# KiCad board jetson-nano-baseboard.kicad_pcb (continued)
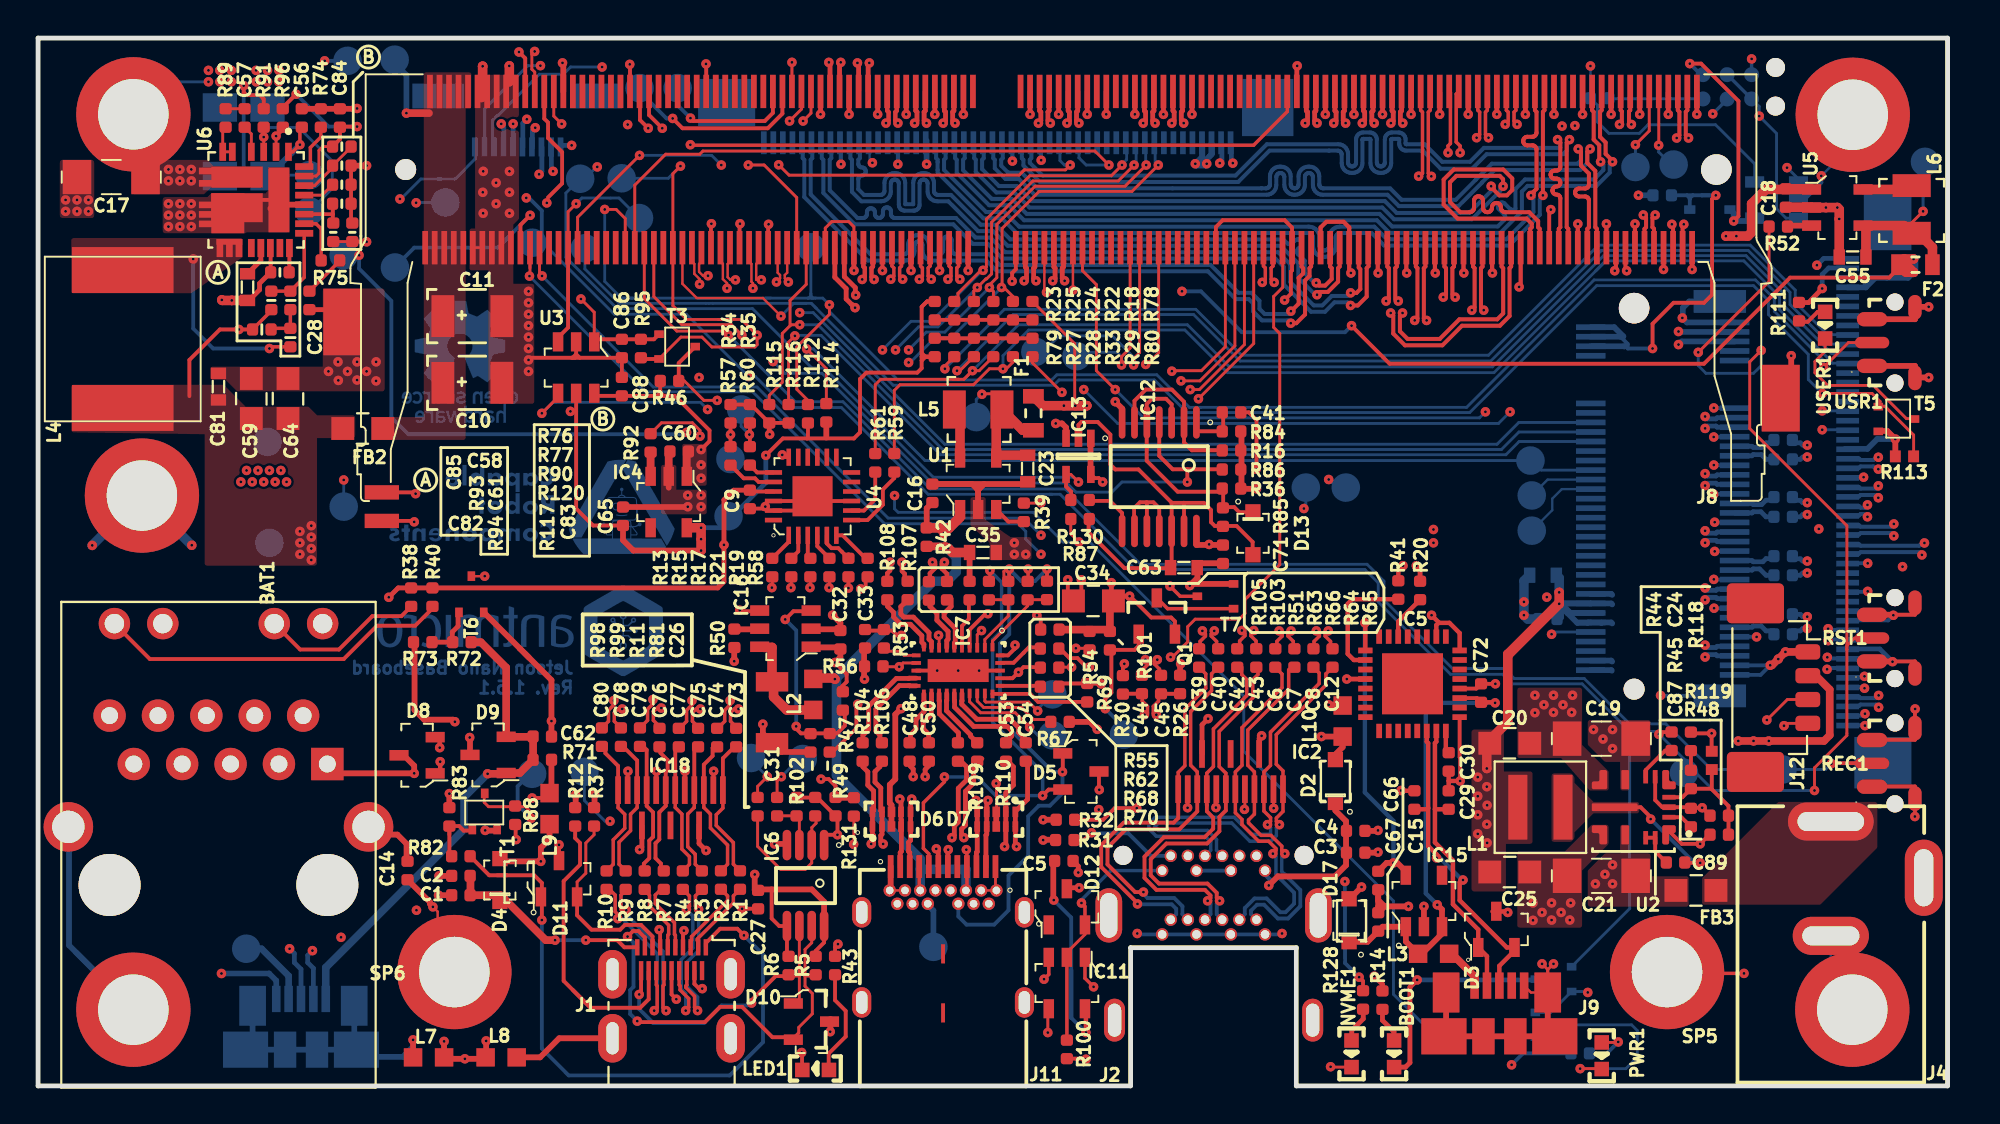
[diagram p0: board, top side]
## Footprints (pads in the part's own frame, mm; a bottom-side part is the same pattern mirrored in y, then rotated) (continued)
  rect 2x3.5 smd: 261(-69.525,34) 262(5.975,30)
  round 1.6 hole 1.6: M(2.6,42)
KEMET_B
  rect 1.2x2.2 smd: 1(0.005,0) 2(3.1,0)
LED0603
  rect 0.762x0.762 smd: A(0.699,0) K(-0.699,0)
LQH32PN2R2NN0L
  rect 1.2x2 smd: 1(-1.25,0) 2(1.25,0)
M2.5-6mm
  round 6 hole 3.7: 1(0,0)
MDT580M01001
  rect 1.55x0.3 smd: 1(3.775,9.25) 2(-3.775,9) 3(3.775,8.75) 4(-3.775,8.5) 5(3.775,8.25) 6(-3.775,8) 7(3.775,7.75) 8(-3.775,7.5) 9(3.775,7.25) 10(-3.775,7) 11(3.775,6.75) 12(-3.775,6.5) 13(3.775,6.25) 14(-3.775,6) 15(3.775,5.75) 16(-3.775,5.5) 17(3.775,5.25) 18(-3.775,5) 19(3.775,4.75) 20(-3.775,4.5) 21(3.775,4.25) 22(-3.775,4) 23(3.775,3.75) 24(-3.775,3.5) 25(3.775,3.25) 26(-3.775,3) 27(3.775,2.75) 28(-3.775,2.5) 29(3.775,2.25) 30(-3.775,2) 31(3.775,1.75) 32(-3.775,1.5) 33(3.775,1.25) 34(-3.775,1) 35(3.775,0.75) 36(-3.775,0.5) 37(3.775,0.25) 38(-3.775,0) 39(3.775,-0.25) 40(-3.775,-0.5) 41(3.775,-0.75) 42(-3.775,-1) 43(3.775,-1.25) 44(-3.775,-1.5) 45(3.775,-1.75) 46(-3.775,-2) 47(3.775,-2.25) 48(-3.775,-2.5) 49(3.775,-2.75) 50(-3.775,-3) 51(3.775,-3.25) 52(-3.775,-3.5) 53(3.775,-3.75) 54(-3.775,-4) 55(3.775,-4.25) 56(-3.775,-4.5) 57(3.775,-4.75) 58(-3.775,-5) 67(3.775,-7.25) 68(-3.775,-7.5) 69(3.775,-7.75) 70(-3.775,-8) 71(3.775,-8.25) 72(-3.775,-8.5) 73(3.775,-8.75) 74(-3.775,-9) 75(3.775,-9.25)
  round 1.6 hole 1.6: None(-1.5,-10)
  round 1.1 hole 1.1: None(-1.5,10)
  rect 2.75x1.2 smd: SH1(3,10.35) SH2(3,-10.35)
Molex_PicoBlade_53398-0471_1x04-1MP_P1.25mm_Vertical
  rrect 0.8x1.3 smd: 1(-1.875,1.25) 2(-0.625,1.25) 3(0.625,1.25) 4(1.875,1.25)
  rrect 2.1x3 smd: MP(-4.425,-1.5) MP(4.425,-1.5)
MS621FE-FL11E
  rect 0.75x1.8 smd: +(0.75,0) -(-0.75,0)
MSOP-8
  oval 1.6x0.45 smd: 1(-2.125,0.975) 2(-2.125,0.325) 3(-2.125,-0.325) 4(-2.125,-0.975) 5(2.125,-0.975) 6(2.125,-0.325) 7(2.125,0.325) 8(2.125,0.975)
QFN-32
  rect 0.75x0.3 smd: 1(-2.475,1.75) 2(-2.475,1.25) 3(-2.475,0.75) 4(-2.475,0.25) 5(-2.475,-0.25) 6(-2.475,-0.75) 7(-2.475,-1.25) 8(-2.475,-1.75) 17(2.475,-1.75) 18(2.475,-1.25) 19(2.475,-0.75) 20(2.475,-0.25) 21(2.475,0.25) 22(2.475,0.75) 23(2.475,1.25) 24(2.475,1.75)
  rect 0.3x0.75 smd: 9(-1.75,-2.475) 10(-1.25,-2.475) 11(-0.75,-2.475) 12(-0.25,-2.475) 13(0.25,-2.475) 14(0.75,-2.475) 15(1.25,-2.475) 16(1.75,-2.475) 25(1.75,2.475) 26(1.25,2.475) 27(0.75,2.475) 28(0.25,2.475) 29(-0.25,2.475) 30(-0.75,2.475) 31(-1.25,2.475) 32(-1.75,2.475)
  rect 3.2x3.2 smd: 33(0,0)
R-PDSO-G5
  rect 0.9x0.4 smd: 1(-0.95,0.65) 2(-0.95,0) 3(-0.95,-0.65) 4(0.95,-0.65) 5(0.95,0.65)
RNH0030A
  rect 0.45x0.2 smd: 1(-1.23,1.8) 10(-1.23,-1.8) 16(1.225,-1.8) 25(1.225,1.8)
  rect 0.5x0.2 smd: 2(-1.2,1.4) 3(-1.2,1) 4(-1.2,0.6) 5(-1.2,0.2) 6(-1.2,-0.2) 7(-1.2,-0.6) 8(-1.2,-1) 9(-1.2,-1.4) 17(1.2,-1.4) 18(1.2,-1) 19(1.2,-0.6) 20(1.2,-0.2) 21(1.2,0.2) 22(1.2,0.6) 23(1.2,1) 24(1.2,1.4)
  rect 0.2x0.45 smd: 11(-0.8,-2.2) 15(0.8,-2.2) 26(0.8,2.2) 30(-0.8,2.2)
  rect 0.2x0.5 smd: 12(-0.4,-2.2) 13(0,-2.2) 14(0.4,-2.2) 27(0.4,2.2) 28(0,2.2) 29(-0.4,2.2)
  rect 1.2x3.2 smd: 31(0,0)
SC70-3
  rect 0.5x0.4 smd: 1(-0.95,0.65) 2(-0.95,-0.65) 3(0.95,0)
SI-51005-F
  round 3.25 hole 3.25: (-5.715,-6.86) (5.715,-6.86)
  rect 1.7x1.7 hole 0.89: 1(5.715,-0.51)
  round 1.7 hole 0.89: 2(4.445,2.03) 3(3.175,-0.51) 4(1.905,2.03) 5(0.635,-0.51) 6(-0.635,2.03) 7(-1.905,-0.51) 8(-3.175,2.03) 9(-4.445,-0.51) 10(-5.715,2.03)
  round 1.65 hole 1.02: 11(5.469,6.86) 12(2.929,6.86) 13(-2.921,6.86) 14(-5.461,6.86)
  round 2.6 hole 1.7: S(-7.878,-3.81) S(7.878,-3.81)
SIC47XED-T1-GE3
  rect 0.95x0.35 smd: 1(-2.525,1.7) 2(-2.525,1.05) 3(-2.525,0.4) 4(-2.525,-0.25) 5(-2.525,-1.25) 6(-2.525,-1.75) 12(2.525,-1.9) 13(2.525,-1.4) 14(2.525,-0.9) 15(2.525,-0.25) 16(2.525,0.25) 17(2.525,0.75) 18(2.525,1.25) 19(2.525,1.75)
  rect 0.35x0.95 smd: 7(-1.52,-2.525) 8(-0.87,-2.525) 9(0.26,-2.525) 10(0.76,-2.525) 11(1.26,-2.525) 20(1.75,2.525) 21(1.25,2.525) 22(0.75,2.525) 23(0.25,2.525) 24(-0.25,2.525) 25(-0.75,2.525) 26(-1.25,2.525) 27(-1.75,2.525)
  rect 1.1x2.7 smd: 7(-1.2,-1)
  rect 1.52x2.7 smd: 9(0.41,-1)
  rect 2.1x1.73 smd: 9(0.7,-1.485)
  rect 0.3x1.35 smd: 14(2.2,-1.4)
  rect 3.4x1.1 smd: 28(0,1.2)
SOD-323
  rect 0.8x0.8 smd: A(1.125,0) C(-1.125,0)
SOD-323#2
  rect 0.59x0.45 smd: A(1.055,0) C(-1.055,0)
SON-15
  rect 0.3x1.45 smd: 1(-2.75,-0.925) 2(-2.25,-0.925) 3(-1.75,-0.925) 4(-1.25,-0.925) 5(-0.75,-0.925) 6(-0.25,-0.925) 7(0.25,-0.925) 8(0.75,-0.925) 9(1.25,-0.925) 10(1.75,-0.925) 11(2.25,-0.925) 12(2.75,-0.925) 13(1.5,0.925) 14(0,0.925) 15(-1.5,0.925)
SOT23-5
  rect 1x0.6 smd: 1(-1.15,0.95) 2(-1.15,0) 3(-1.15,-0.95) 4(1.15,-0.95) 5(1.15,0.95)
SOT-23-5
  rect 0.55x1 smd: 1(-0.95,-1.35) 2(0,-1.35) 3(0.95,-1.35) 4(0.95,1.35) 5(-0.95,1.35)
SOT-23-6
  rect 0.55x1 smd: 1(-0.95,-1.35) 2(0,-1.35) 3(0.95,-1.35) 4(0.95,1.35) 5(0,1.35) 6(-0.95,1.35)
SOT-23s
  rect 1x0.55 smd: 1(-0.95,0.95) 2(-0.95,-0.95) 3(0.95,0)
TC2030
  round 0.787 smd: 1(-1.265,-0.638) 2(-1.265,0.638) 3(0,-0.638) 4(0,0.638) 5(1.285,-0.638) 6(1.285,0.638)
  round 0.991 hole 0.991: M(2.54,-1.014) M(2.54,1.014)
TL3340AF160QG
  oval 1.6x0.75 smd: 1(-1.2,-1.225) 3(-1.2,1.225)
  oval 1.8x0.6 smd: 2(-1.2,0)
  round 0.9 hole 0.9: 10(0,-2.125) 11(0,2.125)
  oval 0.7x1.3 smd: SH1(1.05,1.85) SH2(1.05,-1.85)
TP-R-1.5
  round 1.5 smd: 1(0,0)
TPD4E05U06_PASS
  rect 0.3x0.55 smd: 1(-1,0.385) 1(-1,-0.385) 2(-0.5,0.385) 2(-0.5,-0.385) 4(0.5,0.385) 4(0.5,-0.385) 5(1,0.385) 5(1,-0.385)
  rect 0.4x0.55 smd: 3(0,-0.385) 8(0,0.385)
TSSOP-14
  oval 1.7x0.35 smd: 1(-2.85,1.95) 2(-2.85,1.3) 3(-2.85,0.65) 4(-2.85,0) 5(-2.85,-0.65) 6(-2.85,-1.3) 7(-2.85,-1.95) 8(2.85,-1.95) 9(2.85,-1.3) 10(2.85,-0.65) 11(2.85,0) 12(2.85,0.65) 13(2.85,1.3) 14(2.85,1.95)
VQFN-14-HR
  custom 0.71x1.01 smd: 1(-1.8,1.2) 5(-1.8,-1.2)
  rrect 0.7x0.25 smd: 2(-1.85,0.525) 4(-1.85,-0.525)
  rrect 0.7x0.3 smd: 3(-1.85,0)
  rrect 0.25x0.7 smd: 6(-1.125,-1.6) 7(-0.625,-1.6) 13(-0.625,1.6) 14(-1.125,1.6)
  rrect 0.4x1 smd: 8(0.45,-1.45) 12(0.45,1.45)
  custom 0.81x1.01 smd: 9(1.55,-1.15) 11(1.55,1.15)
  rrect 2.4x0.4 smd: 10(1,0)
WE_68715014022
  rect 0.3x1.2 smd: 1(-12.89,-0.66) 2(-12.39,-0.66) 3(-11.89,-0.66) 4(-11.39,-0.66) 5(-10.89,-0.66) 6(-10.39,-0.66) 7(-9.89,-0.66) 8(-9.39,-0.66) 9(-8.89,-0.66) 10(-8.39,-0.66) 11(-7.89,-0.66) 12(-7.39,-0.66) 13(-6.89,-0.66) 14(-6.39,-0.66) 15(-5.89,-0.66) 16(-5.39,-0.66) 17(-4.89,-0.66) 18(-4.39,-0.66) 19(-3.89,-0.66) 20(-3.39,-0.66) 21(-2.89,-0.66) 22(-2.39,-0.66) 23(-1.89,-0.66) 24(-1.39,-0.66) 25(-0.89,-0.66) 26(-0.39,-0.66) 27(0.11,-0.66) 28(0.61,-0.66) 29(1.11,-0.66) 30(1.61,-0.66) 31(2.11,-0.66) 32(2.61,-0.66) 33(3.11,-0.66) 34(3.61,-0.66) 35(4.11,-0.66) 36(4.61,-0.66) 37(5.11,-0.66) 38(5.61,-0.66) 39(6.11,-0.66) 40(6.61,-0.66) 41(7.11,-0.66) 42(7.61,-0.66) 43(8.11,-0.66) 44(8.61,-0.66) 45(9.11,-0.66) 46(9.61,-0.66) 47(10.11,-0.66) 48(10.61,-0.66) 49(11.11,-0.66) 50(11.61,-0.66)
  rect 2.7x3 smd: ~(-14.84,1.19)
  rect 3x2.5 smd: ~(13.56,1.44)
WE_68715014522_ONE-SIDE
  rect 0.3x1.2 smd: 1(-12.25,-0.6) 2(-11.75,-0.6) 3(-11.25,-0.6) 4(-10.75,-0.6) 5(-10.25,-0.6) 6(-9.75,-0.6) 7(-9.25,-0.6) 8(-8.75,-0.6) 9(-8.25,-0.6) 10(-7.75,-0.6) 11(-7.25,-0.6) 12(-6.75,-0.6) 13(-6.25,-0.6) 14(-5.75,-0.6) 15(-5.25,-0.6) 16(-4.75,-0.6) 17(-4.25,-0.6) 18(-3.75,-0.6) 19(-3.25,-0.6) 20(-2.75,-0.6) 21(-2.25,-0.6) 22(-1.75,-0.6) 23(-1.25,-0.6) 24(-0.75,-0.6) 25(-0.25,-0.6) 26(0.25,-0.6) 27(0.75,-0.6) 28(1.25,-0.6) 29(1.75,-0.6) 30(2.25,-0.6) 31(2.75,-0.6) 32(3.25,-0.6) 33(3.75,-0.6) 34(4.25,-0.6) 35(4.75,-0.6) 36(5.25,-0.6) 37(5.75,-0.6) 38(6.25,-0.6) 39(6.75,-0.6) 40(7.25,-0.6) 41(7.75,-0.6) 42(8.25,-0.6) 43(8.75,-0.6) 44(9.25,-0.6) 45(9.75,-0.6) 46(10.25,-0.6) 47(10.75,-0.6) 48(11.25,-0.6) 49(11.75,-0.6) 50(12.25,-0.6)
  rect 3x2.5 smd: ~(-14.2,-2.7)
  rect 2.7x3 smd: ~(14.2,-2.45)
WE_632723300011
  rect 0.2x1 smd: (0,1.055) (0,-2.045)
  rect 0.3x1.2 smd: A1(-2.75,5.635) A2(-2.25,5.635) A3(-1.75,5.635) A4(-1.25,5.635) A5(-0.75,5.635) A6(-0.25,5.635) A7(0.25,5.635) A8(0.75,5.635) A9(1.25,5.635) A10(1.75,5.635) A11(2.25,5.635) A12(2.75,5.635)
  round 0.65 hole 0.4: B1(2.8,4.385) B2(2.4,3.685) B3(1.6,3.685) B4(1.2,4.385) B5(0.8,3.685) B6(0.4,4.385) B7(-0.4,4.385) B8(-0.8,3.685) B9(-1.2,4.385) B10(-1.6,3.685) B11(-2.4,3.685) B12(-2.8,4.385) Shell(-2,4.385) Shell(2,4.385)
  oval 1x1.6 hole 0.6x1.2: Shell(-4.27,3.235) Shell(-4.27,-1.495) Shell(4.27,3.235) Shell(4.27,-1.495)
XFL4015-122MEC
  rect 1x3.4 smd: 1(-1.185,0) 2(1.185,0)

## Nets
1V8_DBG: C66.2 IC5.1 IC15.5
1V8_SYS: C5.1 C65.1 C86.2 IC4.5 IC11.5 R23.2 R79.2 R88.1 R95.1 R112.1 R114.2 T3.1 TP47.1 U3.1 U3.5
3V3_FFC1: F1.2 J6.47 J6.48 R78.2
3V3_FFC2: F2.1 J7.47 J7.48 R80.2
3V3_SYS: C9.1 C20.1 C24.1 C25.1 C26.1 C33.1 C36.2 C46.2 C47.2 D15.A IC6.1 IC7.8 J8.2 J8.4 J8.12 J8.14 J8.16 J8.18 J8.70 J8.72 J8.74 J10.1 L1.1 L10.1 R11.1 R34.1 R35.1 R38.2 R40.1 R48.1 R53.2 R69.1 R70.1 R81.1 R115.2 R116.2 R118.1 R128.2 U2.1 U4.21
5V0_DBG: C67.2 C72.2 D17.C IC5.19 IC15.1 IC15.3 L3.2
5V0_SYS: C16.1 C18.1 C32.1 C34.2 C59.1 C60.1 C64.1 C71.2 C81.1 C82.1 C83.2 C88.2 D17.A FB2.1 IC2.13 IC2.15 IC4.1 IC7.30 IC12.14 IC13.1 IC13.5 IC16.1 J6.49 J6.50 J7.49 J7.50 J12.2 L4.2 L9.1 Q1.2 R14.2 R16.1 R36.1 R42.1 R43.2 R46.2 R47.2 R54.1 R55.1 R67.2 R71.1 R84.2 R86.2 R93.1 R97.2 R101.2 R111.2 R117.1 TP41.1 TP42.1 U1.1 U3.6 U5.1
/Supply/3V3_EN: R44.1 U2.7
/Supply/3V3_FB: R45.2 R48.2 R118.2 R119.1 U2.4
/Supply/3V3_R_C_BOOT: C89.2 U2.13 U2.14
/Supply/3V3_SW: C89.1 L1.2 U2.10
/Supply/3V3_VCC: C87.1 U2.2
/Supply/3V3_VIN: C19.1 C21.1 FB3.2 U2.8 U2.12
/Supply/5V_BOOT: C57.1 U6.4
/Supply/5V_COMP: R75.1 U6.21
/Supply/5V_EN: R91.1 TP15.1 U6.3
/Supply/5V_FB: R117.2 R120.1 U6.22
/Supply/5V_FSW: R90.1 U6.24
/Supply/5V_ILIM: R76.1 R77.1 U6.25
/Supply/5V_MODE: R74.1 U6.27
/Supply/5V_PHASE: R89.2 U6.5 U6.6
/Supply/5V_SNS: C61.1 C82.2 R94.2
/Supply/5V_SS: C58.1 U6.19
/Supply/5V_SW: L4.1 R94.1 U6.12 U6.13 U6.14
/Supply/5V_VIN: C17.1 C22.1 C56.1 FB1.2 R91.2 TP11.1 U6.1 U6.7 U6.8
/Supply/VDD_5V_DCDC: C84.1 R76.2 R96.1 U6.26
GND: BAT1.- C1.1 C2.1 C3.1 C4.1 C5.2 C9.2 C10.2 C11.2 C14.2 C15.1 C16.2 C17.2 C18.2 C19.2 C20.2 C21.2 C22.2 C23.2 C25.2 C26.2 C27.1 C28.1 C29.1 C30.1 C31.1 C32.2 C33.2 C34.1 C35.1 C36.1 C41.1 C46.1 C47.1 C55.2 C56.2 C58.2 C59.2 C60.2 C62.1 C63.1 C64.2 C65.2 C66.1 C67.1 C71.1 C72.1 C81.2 C83.1 C84.2 C85.2 C86.1 C87.2 C88.1 D3.3 D5.3 D6.3 D6.8 D7.3 D7.8 D8.3 D9.3 D10.3 D11.3 D12.3 IC2.2 IC2.5 IC2.8 IC2.11 IC4.2 IC5.4 IC5.17 IC5.20 IC5.24 IC5.26 IC6.4 IC7.13 IC7.28 IC7.31 IC11.1 IC11.3 IC12.7 IC13.3 IC15.2 IC16.2 IC17.2 IC18.2 IC18.5 IC18.8 IC18.11 J2.1 J2.7 J2.8 J2.13 J2.14 J2.19 J2.21 J2.22 J2.23 J2.24 J3.1 J4.2 J4.3 J5.5 J5.S J6.9 J6.12 J6.15 J6.18 J6.27 J6.30 J7.9 J7.12 J7.15 J7.18 J7.27 J7.30 J8.1 J8.3 J8.9 J8.15 J8.21 J8.27 J8.33 J8.39 J8.45 J8.51 J8.57 J8.71 J8.73 J8.75 J8.SH1 J8.SH2 J9.5 J9.S J10.10 J11.A1 J11.A12 J11.B1 J11.B12 J11.Shell J12.1 L7.1 L7.2 L8.1 M1.1 M1.2 M1.7 M1.8 M1.13 M1.14 M1.19 M1.20 M1.25 M1.26 M1.31 M1.32 M1.37 M1.38 M1.43 M1.44 M1.49 M1.50 M1.55 M1.56 M1.61 M1.62 M1.67 M1.68 M1.73 M1.74 M1.79 M1.80 M1.85 M1.86 M1.102 M1.107 M1.113 M1.119 M1.125 M1.129 M1.132 M1.135 M1.138 M1.141 M1.144 M1.146 M1.147 M1.152 M1.153 M1.158 M1.159 M1.164 M1.165 M1.170 M1.171 M1.176 M1.177 M1.200 M1.201 M1.217 M1.231 M1.241 M1.242 M1.243 M1.244 M1.245 M1.246 M1.247 M1.248 M1.249 M1.250 M1.261 M1.262 R12.1 R30.1 R31.1 R32.1 R37.2 R50.1 R56.1 R62.1 R73.2 R74.2 R77.2 R83.2 R90.2 R100.1 R102.1 R113.2 R119.2 R120.2 R131.1 REC1.1 REC1.3 REC1.SH1 REC1.SH2 RST1.1 RST1.3 RST1.SH1 RST1.SH2 SP1.1 SP2.1 SP3.1 SP5.1 SP6.1 SP7.1 T1.2 T2.2 T4.2 T5.2 T6.2 T7.2 TP12.1 TP17.1 TP30.5 TP44.1 U1.2 U2.3 U2.6 U2.9 U2.11 U3.2 U4.9 U4.18 U4.22 U4.23 U4.25 U5.2 U6.9 U6.10 U6.11 U6.17 U6.23 U6.28 USR1.1 USR1.3 USR1.SH1 USR1.SH2
VDD_MOD: C10.1 C11.1 FB2.2 M1.251 M1.252 M1.253 M1.254 M1.255 M1.256 M1.257 M1.258 M1.259 M1.260 TP38.1
VIN: FB1.1 FB3.1 J4.1 TP16.1
#PWR_BUTTON: M1.240 TP31.1
#RECOVERY: M1.214 REC1.2 TP39.1
#RESET: M1.239 R39.2 R44.2 R52.2 R92.2 RST1.2 T2.1 TP29.1 TP37.1
#SHUTDOWN_REQ: IC12.4 M1.233 R86.1 TP28.1
/CSI/CAM0_SCL: J6.40 R15.1 R24.2
/CSI/CAM0_SDA: J6.39 R13.1 R25.2
/CSI/CAM1_SCL: J6.42 R18.2 R21.1
/CSI/CAM1_SDA: J6.41 R17.1 R22.2
/CSI/CAM2_SCL: J7.42 R27.2 R58.1
/CSI/CAM2_SDA: J7.41 R19.1 R28.2
/CSI/CAM3_SCL: J7.40 R33.2 R61.1
/CSI/CAM3_SDA: J7.39 R29.2 R59.1
/CSI/CAM_I2C_SCL: M1.213 R35.2 R60.2 TP10.1
/CSI/CAM_I2C_SDA: M1.215 R34.2 R57.2 TP1.1
/CSI/CSI_A_CLK_N: J7.28 M1.10
/CSI/CSI_A_CLK_P: J7.29 M1.12
/CSI/CSI_A_D0_N: J7.25 M1.4
/CSI/CSI_A_D0_P: J7.26 M1.6
/CSI/CSI_A_D1_N: J7.23 M1.16
/CSI/CSI_A_D1_P: J7.24 M1.18
/CSI/CSI_B_D0_N: J7.21 M1.3
/CSI/CSI_B_D0_P: J7.22 M1.5
/CSI/CSI_B_D1_N: J7.19 M1.15
/CSI/CSI_B_D1_P: J7.20 M1.17
/CSI/CSI_C_CLK_N: J7.10 M1.52
/CSI/CSI_C_CLK_P: J7.11 M1.54
/CSI/CSI_C_D0_N: J7.7 M1.46
/CSI/CSI_C_D0_P: J7.8 M1.48
/CSI/CSI_C_D1_N: J7.5 M1.58
/CSI/CSI_C_D1_P: J7.6 M1.60
/CSI/CSI_D_D0_N: J7.3 M1.40
/CSI/CSI_D_D0_P: J7.4 M1.42
/CSI/CSI_D_D1_N: J7.1 M1.64
/CSI/CSI_D_D1_P: J7.2 M1.66
/CSI/CSI_E_CLK_N: J6.28 M1.28
/CSI/CSI_E_CLK_P: J6.29 M1.30
/CSI/CSI_E_D0_N: J6.25 M1.22
/CSI/CSI_E_D0_P: J6.26 M1.24
/CSI/CSI_E_D1_N: J6.23 M1.34
/CSI/CSI_E_D1_P: J6.24 M1.36
/CSI/CSI_F_D0_N: J6.21 M1.21
/CSI/CSI_F_D0_P: J6.22 M1.23
/CSI/CSI_F_D1_N: J6.19 M1.33
/CSI/CSI_F_D1_P: J6.20 M1.35
/CSI/CSI_G_CLK_N: J6.10 M1.76
/CSI/CSI_G_CLK_P: J6.11 M1.78
/CSI/CSI_G_D0_N: J6.7 M1.70
/CSI/CSI_G_D0_P: J6.8 M1.72
/CSI/CSI_G_D1_N: J6.5 M1.82
/CSI/CSI_G_D1_P: J6.6 M1.84
/Display/DP_CEC: J2.6 R32.2
/Display/DP_HPD: IC11.4 M1.88
/Display/DP_HPD_IN: D12.2 IC11.2 J2.2 R100.2
/Display/DP_MODE: J2.4 R31.2
/Display/EDP0_TX_N: C40.1 M1.39
/Display/EDP0_TX_P: C39.1 M1.41
/Display/EDP1_TX_N: C43.1 M1.45
/Display/EDP1_TX_P: C42.1 M1.47
/Display/EDP2_TX_N: C7.1 M1.51
/Display/EDP2_TX_P: C6.1 M1.53
/Display/EDP3_TX_N: C12.1 M1.57
/Display/EDP3_TX_P: C8.1 M1.59
/Display/EDP_AUX_N: C45.1 M1.90
/Display/EDP_AUX_P: C44.1 M1.92
/Display/EDP_C_AUX_C_N: C45.2 J2.18 R26.1
/Display/EDP_C_AUX_C_P: C44.2 J2.16 R30.2
/Display/ML_C_LANE0_N: C40.2 IC2.3 J2.5
/Display/ML_C_LANE0_P: C39.2 IC2.1 J2.3
/Display/ML_C_LANE1_N: C43.2 IC2.6 J2.11
/Display/ML_C_LANE1_P: C42.2 IC2.4 J2.9
/Display/ML_C_LANE2_N: C7.2 IC2.9 J2.17
/Display/ML_C_LANE2_P: C6.2 IC2.7 J2.15
/Display/ML_C_LANE3_N: C12.2 IC2.12 J2.12
/Display/ML_C_LANE3_P: C8.2 IC2.10 J2.10
/Display/TMDS_C1_CLK_N: C80.2 IC18.12 R10.1
/Display/TMDS_C1_CLK_P: C78.2 IC18.10 R9.1
/Display/TMDS_C1_D0_N: C79.2 IC18.9 R8.1
/Display/TMDS_C1_D0_P: C76.2 IC18.7 R7.1
/Display/TMDS_C1_D1_N: C77.2 IC18.6 R4.1
/Display/TMDS_C1_D1_P: C75.2 IC18.4 R3.1
/Display/TMDS_C1_D2_N: C74.2 IC18.3 R2.1
/Display/TMDS_C1_D2_P: C73.2 IC18.1 R1.1
/Display/TMDS_CEC: M1.94 TP26.1
/Display/TMDS_CEC_IN: D11.2 J1.15 R37.1
/Display/TMDS_CLK_C_N: J1.14 R10.2
/Display/TMDS_CLK_C_P: J1.12 R9.2
/Display/TMDS_CLK_N: C80.1 M1.81
/Display/TMDS_CLK_P: C78.1 M1.83
/Display/TMDS_D0_C_N: J1.11 R8.2
/Display/TMDS_D0_C_P: J1.9 R7.2
/Display/TMDS_D0_N: C79.1 M1.75
/Display/TMDS_D0_P: C76.1 M1.77
/Display/TMDS_D1_C_N: J1.8 R4.2
/Display/TMDS_D1_C_P: J1.6 R3.2
/Display/TMDS_D1_N: C77.1 M1.69
/Display/TMDS_D1_P: C75.1 M1.71
/Display/TMDS_D2_C_N: J1.5 R2.2
/Display/TMDS_D2_C_P: J1.3 R1.2
/Display/TMDS_D2_N: C74.1 M1.63
/Display/TMDS_D2_P: C73.1 M1.65
/Display/TMDS_HPD_IN: D11.1 J1.1 R82.1
/Display/TMDS_SCL: M1.100 R98.2 TP33.1
/Display/TMDS_SCL_5V0: D10.2 IC6.7 J1.17 R5.2
/Display/TMDS_SDA: M1.98 R99.2 TP34.1
/Display/TMDS_SDA_5V0: D10.1 IC6.6 J1.18 R6.2
/ID Serial/EEPROM_PWR: D15.C IC17.4 TP30.1
/ID Serial/SN_WP: IC17.5 R132.1
/Interfaces/C_PCIE0_TX0_N: C38.1 J8.47
/Interfaces/C_PCIE0_TX0_P: C37.1 J8.49
/Interfaces/C_PCIE0_TX1_N: C51.1 J8.35
/Interfaces/C_PCIE0_TX1_P: C49.1 J8.37
/Interfaces/C_PCIE0_TX2_N: C68.1 J8.23
/Interfaces/C_PCIE0_TX2_P: C52.1 J8.25
/Interfaces/C_PCIE0_TX3_N: C70.1 J8.11
/Interfaces/C_PCIE0_TX3_P: C69.1 J8.13
/SoM/PMIC_BBAT: BAT1.+ M1.235
/Supply/\~{PWR_SET}: C41.2 IC12.1 R84.1
/Supply/FAN_PMW_5V: J12.4 U3.4
/Supply/FAN_TACH_5V: J12.3 R46.1 T3.3
/Supply/Q: D13.C IC12.3 IC12.5 R36.2 R85.1
/Supply/QDEL: C63.2 D13.A IC12.12 IC12.13 IC13.2 R85.2 R87.2
/Supply/VDRV_5V_DCDC: C85.1 U6.16
/USB/C_CC1: D5.2 J11.A5 R63.2 R64.2
/USB/C_CC2: D5.1 J11.B5 R65.1 R66.1
/USB/C_USBSS_RX1_N: D6.1 J11.B10 R104.2
/USB/C_USBSS_RX1_P: D6.2 J11.B11 R106.2
/USB/C_USBSS_RX2_N: D7.5 J11.A10 R109.2
/USB/C_USBSS_RX2_P: D7.4 J11.A11 R110.2
/USB/C_USBSS_RX6_N: IC7.10 R108.2
/USB/C_USBSS_RX6_P: IC7.9 R107.2
/USB/C_USBSS_TX1_N: C48.1 D6.5 J11.A3
/USB/C_USBSS_TX1_P: C50.1 D6.4 J11.A2
/USB/C_USBSS_TX2_N: C53.1 D7.2 J11.B3
/USB/C_USBSS_TX2_P: C54.1 D7.1 J11.B2
/USB/C_USBSS_TX6_N: IC7.7 R105.2
/USB/C_USBSS_TX6_P: IC7.6 R103.2
/USB/CC1: IC7.2 R63.1 R66.2
/USB/CC2: IC7.1 R64.1 R65.2
/USB/DBG_USB_D_N: C29.2 D3.1 IC5.15 J9.2
/USB/DBG_USB_D_P: C15.2 D3.2 IC5.14 J9.3
/USB/EN_MUX: IC7.12 R56.2 R68.1
/USB/USBC_ADDR: IC7.22 TP21.1
/USB/USBC_FAULT: IC7.24 TP32.1
/USB/USBC_ID: IC7.27 Q1.1 R68.2 R101.1 TP18.1
/USB/USBC_INTN: IC7.23 R67.1
/USB/USBC_SCL: IC7.26 R70.2
/USB/USBC_SDA: IC7.25 R69.2
/USB/USBSS_RX1_N: IC7.14 R104.1
/USB/USBSS_RX1_P: IC7.15 R106.1
/USB/USBSS_RX2_N: IC7.18 R109.1
/USB/USBSS_RX2_P: IC7.19 R110.1
/USB/USBSS_TX1_N: C48.2 IC7.16
/USB/USBSS_TX1_P: C50.2 IC7.17
/USB/USBSS_TX2_N: C53.2 IC7.20
/USB/USBSS_TX2_P: C54.2 IC7.21
\PEWAKE_3V3: J8.54 M1.179
DP_PWR: D2.A L10.2 R26.2
EGND: C14.1 J3.S SP4.1
ENET_LED0: J3.13 M1.194
ENET_LED1: J3.11 M1.188
ENET_TRD0_N: J3.3 M1.184
ENET_TRD0_P: J3.2 M1.186
ENET_TRD1_N: J3.5 M1.190
ENET_TRD1_P: J3.4 M1.192
ENET_TRD2_N: J3.8 M1.196
ENET_TRD2_P: J3.7 M1.198
ENET_TRD3_N: J3.10 M1.202
ENET_TRD3_P: J3.9 M1.204
FAN_PWM: M1.230 TP13.1 U3.3
FAN_TACH: M1.208 R95.2 T3.2 TP14.1
GEN0_SCL: IC17.1 M1.185 TP23.1 TP30.4
GEN0_SDA: IC17.3 M1.187 TP24.1 TP30.3 TP30.6
HDMI_PWR: C27.2 D4.A IC6.5 IC6.8 IC18.13 IC18.15 L9.2 R5.1 R6.1
HDMI_SHIELD: J1.4 J1.7 J1.10 J1.13 J1.SH L8.2
M2_ALERT: J8.44 M1.212 R114.1 TP2.1
OTG_USB_D_N: D8.1 J5.2 M1.109
OTG_USB_D_P: D8.2 J5.3 M1.111
OTG_USB_VBUS: M1.87 T6.3
PCIE0_CLK_N: J8.53 M1.160
PCIE0_CLK_P: J8.55 M1.162
PCIE0_RX0_N: J8.41 M1.131
PCIE0_RX0_P: J8.43 M1.133
PCIE0_RX1_N: J8.29 M1.137
PCIE0_RX1_P: J8.31 M1.139
PCIE0_RX2_N: J8.17 M1.149
PCIE0_RX2_P: J8.19 M1.151
PCIE0_RX3_N: J8.5 M1.155
PCIE0_RX3_P: J8.7 M1.157
PCIE0_TX0_N: C38.2 M1.134
PCIE0_TX0_P: C37.2 M1.136
PCIE0_TX1_N: C51.2 M1.140
PCIE0_TX1_P: C49.2 M1.142
PCIE0_TX2_N: C68.2 M1.148
PCIE0_TX2_P: C52.2 M1.150
PCIE0_TX3_N: C70.2 M1.154
PCIE0_TX3_P: C69.2 M1.156
PCIE1_CLK_N: J10.5 M1.173
PCIE1_CLK_P: J10.4 M1.175
PCIE1_CLKREQ: J10.3 M1.182
PCIE1_RST: J10.2 M1.183
PCIE1_RX0_N: J10.9 M1.167
PCIE1_RX0_P: J10.8 M1.169
PCIE1_TX0_N: J10.7 M1.172
PCIE1_TX0_P: J10.6 M1.174
PEX_L0_CLKREQ_N: J8.52 M1.180 R115.1
PEX_L0_RST_N: J8.50 M1.181 R116.1
PWR_EN: IC13.4 M1.237 R130.1 TP27.1
PWR_GOOD: R87.1 R96.2 T4.1 TP40.1 U6.2
TMDS_HPD: M1.96 R88.2 T1.3 TP25.1
UART1_RX: M1.238 R20.2
UART1_TX: M1.236 R41.2
USB1_D_N: J11.A7 J11.B7 M1.115
USB1_D_P: J11.A6 J11.B6 M1.117
USBC_VBUS: C35.2 J11.A4 J11.A9 J11.B4 J11.B9 L2.2 R42.2 R51.2 R131.2
USBSS_RX6_N: M1.161 R108.1
USBSS_RX6_P: M1.163 R107.1
USBSS_TX6_N: M1.166 R105.1
USBSS_TX6_P: M1.168 R103.1
USR_BUTTON: M1.218 R112.2 TP36.1 USR1.2
USR_LED: M1.206 R113.1 T5.1 TP35.1
VSYNC_CAM1_1: J6.32 M1.228
VSYNC_CAM1_2: J6.34 M1.216
VSYNC_CAM2_1: J7.32 M1.114
VSYNC_CAM2_2: J7.34 M1.130
Net-(BOOT1-PadA): BOOT1.A R14.1
Net-(BOOT1-PadK): BOOT1.K T2.3
Net-(C1-Pad2): C1.2 C2.2 D4.C J1.19
Net-(C3-Pad2): C3.2 C4.2 D2.C J2.20
Net-(C23-Pad1): C23.1 F1.1 L5.2 TP5.1 U1.4
Net-(C24-Pad2): C24.2 R45.1
Net-(C28-Pad2): C28.2 R75.2
Net-(C30-Pad2): C30.2 IC5.16
Net-(C31-Pad2): C31.2 IC16.6 L2.1
Net-(C55-Pad1): C55.1 F2.2 L6.2 TP8.1 U5.4
Net-(C57-Pad2): C57.2 R89.1
Net-(C61-Pad2): C61.2 R93.2 U6.20
Net-(C62-Pad2): C62.2 D9.1 D9.2 J5.1 R71.2 R72.1
Net-(IC4-Pad3): IC4.3 R92.1
Net-(IC5-Pad2): IC5.2 R41.1
Net-(IC5-Pad30): IC5.30 R20.1
Net-(IC6-Pad2): IC6.2 R81.2 R98.1
Net-(IC6-Pad3): IC6.3 R11.2 R99.1
Net-(IC7-Pad3): IC7.3 R54.2
Net-(IC7-Pad4): IC7.4 R55.2
Net-(IC7-Pad5): IC7.5 R51.1
Net-(IC7-Pad11): IC7.11 R53.1
Net-(IC7-Pad29): IC7.29 R62.2
Net-(IC12-Pad2): IC12.2 IC12.6 R16.2
Net-(IC12-Pad8): IC12.8 R130.2
Net-(IC12-Pad10): IC12.9 IC12.10 IC12.11
Net-(IC16-Pad3): IC16.3 R47.1 R49.2 R102.2
Net-(IC16-Pad4): IC16.4 LED1.K
Net-(IC16-Pad5): IC16.5 R50.2
Net-(J1-Pad16): J1.16 R12.2
Net-(J3-Pad12): J3.12 R38.1
Net-(J3-Pad14): J3.14 R40.2
Net-(J5-Pad4): J5.4 TP22.1
Net-(J8-Pad10): J8.10 NVME1.K
Net-(J8-Pad40): J8.40 TP20.1
Net-(J8-Pad42): J8.42 TP7.1
Net-(J9-Pad1): J9.1 L3.1
Net-(J11-PadB8): J11.B8 TP19.1
Net-(L5-Pad1): L5.1 U1.5
Net-(L6-Pad1): L6.1 U5.5
Net-(LED1-PadA): LED1.A R43.1
Net-(M1-Pad9): M1.9 TP3.1
Net-(M1-Pad11): M1.11 TP4.1
Net-(M1-Pad118): M1.118 TP9.1
Net-(M1-Pad120): M1.120 TP6.1
Net-(NVME1-PadA): NVME1.A R128.1
Net-(PWR1-PadA): PWR1.A R97.1
Net-(PWR1-PadK): PWR1.K T4.3
Net-(Q1-Pad3): Q1.3 T7.1
Net-(R13-Pad2): R13.2 U4.1
Net-(R15-Pad2): R15.2 U4.2
Net-(R17-Pad2): R17.2 U4.3
Net-(R18-Pad1): R18.1 R22.1 R23.1 R24.1 R25.1 R78.1
Net-(R19-Pad2): R19.2 U4.5
Net-(R21-Pad2): R21.2 U4.4
Net-(R27-Pad1): R27.1 R28.1 R29.1 R33.1 R79.1 R80.1
Net-(R39-Pad1): R39.1 U1.3
Net-(R49-Pad1): R49.1 T7.3
Net-(R52-Pad1): R52.1 U5.3
Net-(R57-Pad1): R57.1 U4.20
Net-(R58-Pad2): R58.2 U4.6
Net-(R59-Pad2): R59.2 U4.7
Net-(R60-Pad1): R60.1 U4.19
Net-(R61-Pad2): R61.2 U4.8
Net-(R72-Pad2): R72.2 R73.1 T6.1
Net-(R82-Pad2): R82.2 R83.1 T1.1
Net-(R111-Pad1): R111.1 USER1.A
Net-(R132-Pad2): R132.2 TP30.2
Net-(T5-Pad3): T5.3 USER1.K

Pads without a net: D12 1; IC2 14; IC4 4; IC5 3 5 6 7 8 9 10 11 12 13 18 21 22 23 25 27 28 29 31 32 33; IC15 4; IC18 14; J1 2; J2 M; J3 6; J6 1 2 3 4 13 14 16 17 31 33 35 36 37 38 43 44 45 46 ~; J7 13 14 16 17 31 33 35 36 37 38 43 44 45 46 ~; J8 6 8 20 22 24 26 28 30 32 34 36 38 46 48 56 58 67 68 69 None; J9 4; J10 ~; J11 A8; J12 MP; M1 27 29 89 91 93 95 97 99 101 103 104 105 106 108 110 112 116 121 122 123 124 126 127 128 143 145 178 189 191 193 195 197 199 203 205 207 209 210 211 219 220 221 222 223 224 225 226 227 229 232 234 M; REC1 10 11; RST1 10 11; TP30 M; U2 5; U4 10 11 12 13 14 15 16 17 24; U6 15 18; USR1 10 11

## Via types
v1: diameter 0.5, hole 0.15, Top to Bottom, 763 vias

## Routing (per net, layer and track width the routed paths; a pad name or vN(x,y) marks a point on that pad's centre or on a via; arc(x,y) is an arc through that point)
1V8_DBG: length 16.7
  Top w0.23: IC5.1 69.67,24.28 v1(69.64,24.31)
  Top w0.3: IC15.5 71.79,11.26 71.34,11.71 v1(71.14,11.71) 70.78,11.71 C66.2
  Bottom w0.23: v1(69.64,24.31) 69.64,15.41 71.14,13.91 v1(71.14,11.71)
1V8_SYS: length 124.9
  Top w0.125: 41.32,34.8 41.37,34.85
  Top w0.15: U3.1 29.19,40.61 v1(28.49,41.31)
  Top w0.2: v1(25.09,12.93) 25.07,12.95 25.07,13.69 ; 47.06,41.17 46.65,41.17 46.38,40.89 ; 46.38,40.89 46.66,41.18 R23.2 ; 46.38,40.89 46.38,39.14 ; 46.38,38.07 46.38,37.67 46.15,37.44 43.48,37.44 43.14,37.11 43.14,34.31 42.82,33.99 40.36,33.99 ; 46.38,38.07 46.58,38.28 46.71,38.28 ; 46.38,38.07 46.38,38.27 ; 28.24,35.41 U3.5 28.24,36.66 ; 28.24,35.41 28.24,30.31 29.13,29.42 C65.1 ; 28.24,35.41 v1(27.94,35.41) ; 46.38,38.57 46.38,39.14 ; 46.38,39.14 46.38,38.47 ; v1(38.2,33.1) 39.09,33.99 40.36,33.99 ; 46.71,38.28 46.57,38.28 46.38,38.47 ; 46.71,38.28 R79.2 ; 46.71,38.28 46.38,38.28 46.38,38.27 ; 40.36,33.99 40.41,34.03 40.41,34.58 ; 46.38,38.27 46.38,38.47 ; T3.1 32.33,39.19 R95.1 C86.2 29.33,39.19 U3.1
  Top w0.23: IC11.5 55,4 v1(55,2.8)
  Top w0.3: v1(53.31,9.75) 53.29,9.78 53.29,11.68 53.44,11.84 ; 41.37,34.04 41.37,34.85 ; C65.1 30.7,28.65 31.25,28.1 v1(34.8,28.1) ; 34.05,29.3 34.05,29.55
  Top w0.5: v1(34.8,28.1) v1(34.8,29.3) 34.05,29.3
  In2_SINGAL.Cu w0.15: v1(28.49,41.31) 28.49,35.96 v1(27.94,35.41)
  In3_SIGNAL.Cu w0.2: v1(25.09,12.93) 25.17,13
  In5_3V3_SYS_SIGNAL.Cu w0.5: v1(53.31,9.75) 53.31,8.05 52.08,6.82 41.53,6.82 39.96,8.39 39.96,10.49 37.34,13.1 ; 37.34,13.1 36.43,13.1 ; 37.34,13.1 37.34,13.5 ; 36.43,13.1 36.43,13.24 35.4,14.28 34.85,14.28 33.83,13.26 25.42,13.26 v1(25.09,12.93) ; 36.43,13.1 36.94,13.1 37.34,13.5 ; 37.34,13.5 37.44,13.6 37.44,20.16 34.8,22.8 34.8,27.65 ; 34.8,27.65 v1(34.8,28.1) v1(34.8,28.7) v1(34.8,29.3) 34.8,27.65
  Bottom w0.2: v1(53.31,9.75) 54.23,8.84 54.23,3.57 v1(55,2.8)
  Bottom w0.23: 54.23,6.07 54.23,3.57
  Bottom w0.25: v1(38.2,33.1) 38.2,31.66 35.84,29.3 v1(34.8,29.3)
3V3_FFC1: length 36.7
  Top w0.15: v1(54.44,35.71) 54.41,35.74 54.41,38.96 R78.2
  Top w0.3: 52.19,41.17 52.22,41.15
  Top w0.5: v1(53.84,35.71) v1(55.04,35.71) ; v1(55.04,35.71) 52.73,35.71 F1.2 ; v1(55.04,35.71) v1(54.44,35.71)
  In2_SINGAL.Cu w0.4: 55.7,36.37 55.24,35.92 ; 61.34,48.57 v1(61.34,48.41) 61.22,48.32
  In2_SINGAL.Cu w0.5: 55.54,36.21 55.03,35.71 v1(53.84,35.71) ; 55.24,35.92 55.7,36.37 55.7,36.86 56.02,37.18 58.33,37.18 58.88,37.73 58.88,39.37 61.13,41.62 61.13,47.84 ; 61.13,47.84 61.13,48.01 v1(60.74,48.41) 61.07,48.41 ; 61.13,47.84 61.13,48.23 v1(61.34,48.41)
  Bottom w0.25: 61.63,49.42 61.63,48.94 61.34,48.64 ; 61.14,49.42 61.14,48.64 v1(61.34,48.41)
  Bottom w0.3: v1(61.34,48.41) 61.34,48.64 61.59,48.89 ; J6.48 61.59,48.89 ; 61.59,48.89 61.47,48.78 ; J6.47 61.09,48.76 v1(60.74,48.41)
  Bottom w0.5: v1(61.34,48.41) v1(60.74,48.41)
3V3_FFC2: length 63.8
  Top w0.15: R80.2 52.19,37.95 v1(53.74,36.41)
  Top w0.2: v1(68.94,39.91) 70.94,37.91 87.44,37.91 91.96,42.43 97.16,42.43 97.74,43.01 98.14,43.01
  Top w0.5: v1(98.44,43.41) 97.95,43.41 ; 97.95,43.41 F2.1 98.05,42.71 v1(98.44,42.71) 97.95,43.2 97.95,43.41
  In2_SINGAL.Cu w0.2: v1(60.04,41.71) 58.34,41.71 53.74,37.11 v1(53.74,36.41)
  Bottom w0.2: v1(68.94,39.91) 68.6,39.56 63.19,39.56 61.04,41.71 v1(60.04,41.71)
  Bottom w0.3: J7.47 95.93,41.92 ; 95.93,41.92 96.43,42.42 ; 95.93,41.92 95.93,42.3 96.05,42.42 J7.48 96.43,42.42 ; 96.43,42.42 98.15,42.42 v1(98.44,42.71)
  Bottom w0.5: v1(98.44,43.41) v1(98.44,42.71)
3V3_SYS: length 166.4
  Top w0.15: IC7.8 47.29,23.62 v1(47.26,23.65)
  Top w0.2: 20.7,26.13 18.89,26.13 v1(18.41,25.65) ; 36.34,35.76 37.42,35.76 38.38,34.8 39.39,34.8 ; 43.43,23.9 44.83,23.9 45.08,23.65 v1(45.31,23.65) ; 39.81,15.14 40.9,15.14 41.86,14.18 41.96,14.18 v1(41.96,13.18) 41.26,13.18 41.26,12.64 ; U4.21 37.43,31.2 C9.1 ; 53.57,21.16 53.57,20.96 R70.1 53.74,21.12 55.06,21.12 55.07,21.12 55.78,21.12 v1(55.79,21.1) ; U2.1 86.28,12.71 v1(87.24,12.71) 87.81,13.27 ; v1(88.06,46.75) 87.87,46.55 87.87,41.53 87.44,41.11 85.84,41.11 84.74,40.01 v1(84.74,38.71) ; v1(69.34,5.71) 69.55,5.5 R128.2 ; R118.1 87.84,17.57 v1(87.84,18.51) 86.82,18.51 C24.1 86.84,18.57
  Top w0.25: R115.2 38.38,34.22 v1(38.4,34.2) ; C9.1 36.51,31.27 36,30.76 v1(36,28.4) 36,26.46 35.67,26.14 R40.1 R38.2 18.9,26.14 v1(18.41,25.65)
  Top w0.3: 69.52,5.02 69.55,4.99
  Top w0.4: L10.1 67.78,19.97 v1(67.74,20.01)
  Top w0.5: 77.14,22.66 77.14,19.11 76.04,18.01 v1(76.04,16.66) ; 77.14,22.66 77.19,22.66 v1(79.84,25.31) v1(79.84,25.91) ; 77.14,22.66 79.79,25.31
  In2_SINGAL.Cu w0.15: v1(18.41,25.65) 18.98,25.65 20.64,27.31 20.64,44.89 18.99,46.54 v1(18.99,46.56)
  In3_SIGNAL.Cu w0.2: 45.31,23.64 45.32,23.65
  In5_3V3_SYS_SIGNAL.Cu w0.2: v1(76.04,16.66) 78.5,16.66 81.14,19.31 87.04,19.31 v1(87.84,18.51) 87.84,13.31 v1(87.24,12.71)
  In5_3V3_SYS_SIGNAL.Cu w0.3: 68.48,20.9 68.6,20.78 v1(68.59,10.73)
  In5_3V3_SYS_SIGNAL.Cu w0.5: 46.04,24.87 v1(47.26,23.65)
  Bottom w0.15: 21.14,47.6 20.09,47.6 19.04,46.56
  Bottom w0.152: 22.94,49.28 22.94,48.66 21.88,47.6 20.96,47.6
  Bottom w0.2: 86.7,46.56 86.7,46.61 86.55,46.75 ; 86.7,46.56 86.7,46.6 86.85,46.75 ; 86.7,46.56 86.7,46.7 ; 86.7,46.56 D15.A ; 86.85,46.75 87.33,46.75 ; 86.85,46.75 86.55,46.75 ; 87.33,46.75 87.75,46.75 ; 87.33,46.75 87.33,46.75 v1(88.06,46.75) ; 83.06,39.33 83.44,38.94 83.44,38.71 v1(84.74,38.71) ; 86.55,46.75 C36.2 ; v1(69.34,5.71) 68.6,6.45 v1(68.59,10.73)
  Bottom w0.3: J8.14 82.11,24.82 ; J8.14 80.43,24.82 80.03,25.22 80.14,25.33 J8.16 ; J8.14 80.27,24.82 79.79,25.31 ; 82.05,24.31 82.06,24.3 ; J8.16 82.57,25.33 82.62,25.28 ; J8.16 79.81,25.33 79.79,25.31 ; J8.74 82.73,39.82 83.21,39.34 83.19,39.33 J8.72 ; J8.70 83.24,38.82 83.26,38.81 ; J8.18 82.57,25.82 82.62,25.78 ; 82.62,24.28 82.57,24.32 J8.12 81.36,24.32 81.34,24.31 80.79,24.31 79.79,25.31 ; J8.4 82.57,22.32 82.62,22.28 ; J8.2 82.57,21.82 82.6,21.8
  Bottom w0.5: C46.2 79.84,24.62 v1(79.84,25.31) ; C47.2 79.84,26.66 v1(79.84,25.91)
  vias: v1(75.57,16.21) v1(75.57,15.21) v1(75.57,14.23) v1(75.57,13.23) v1(76.04,15.71) v1(76.06,14.73) v1(76.04,13.73) v1(76.06,12.76)
